# Altium PCB STguitar.PcbDoc (part 1 of 3)
Units mm, origin at the board's own origin, x right, y up, seen from the top; angles counter-clockwise.
Board outline 150 x 90 mm, 4 copper layers (Top Layer, Signal 1, Signal 2, Bottom Layer), stack 0.746 mm thick; 215 components, 199 nets, 877 pads, 342 vias.
Unrouted connection lines stored in the file: 196.
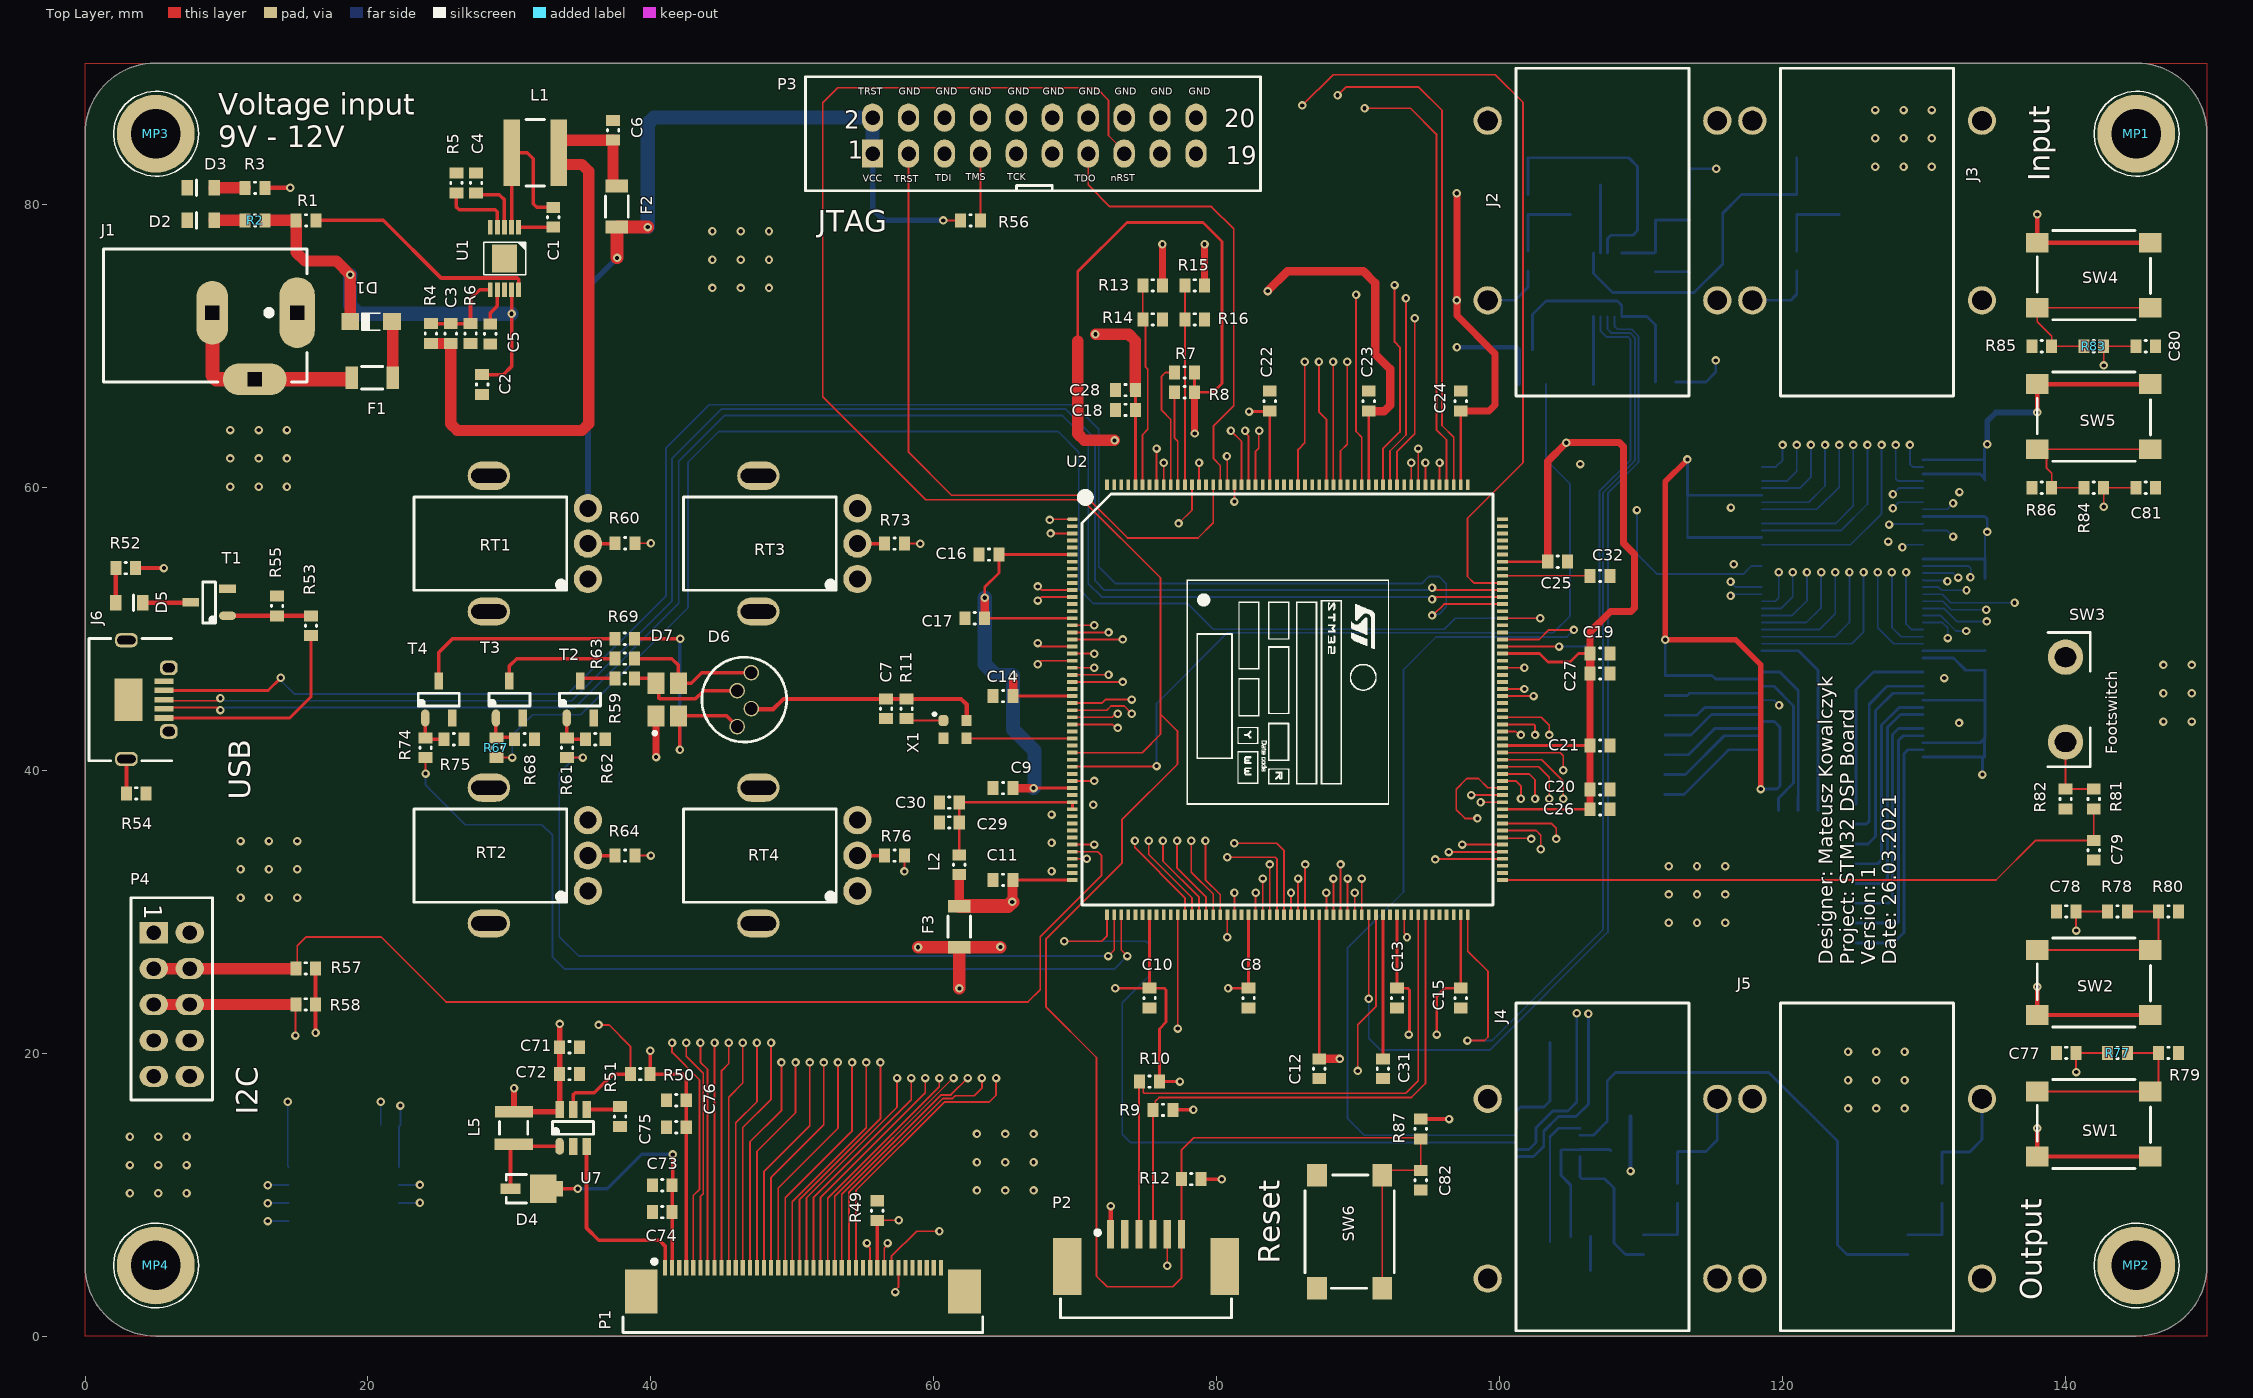
[diagram p0: Top Layer view]
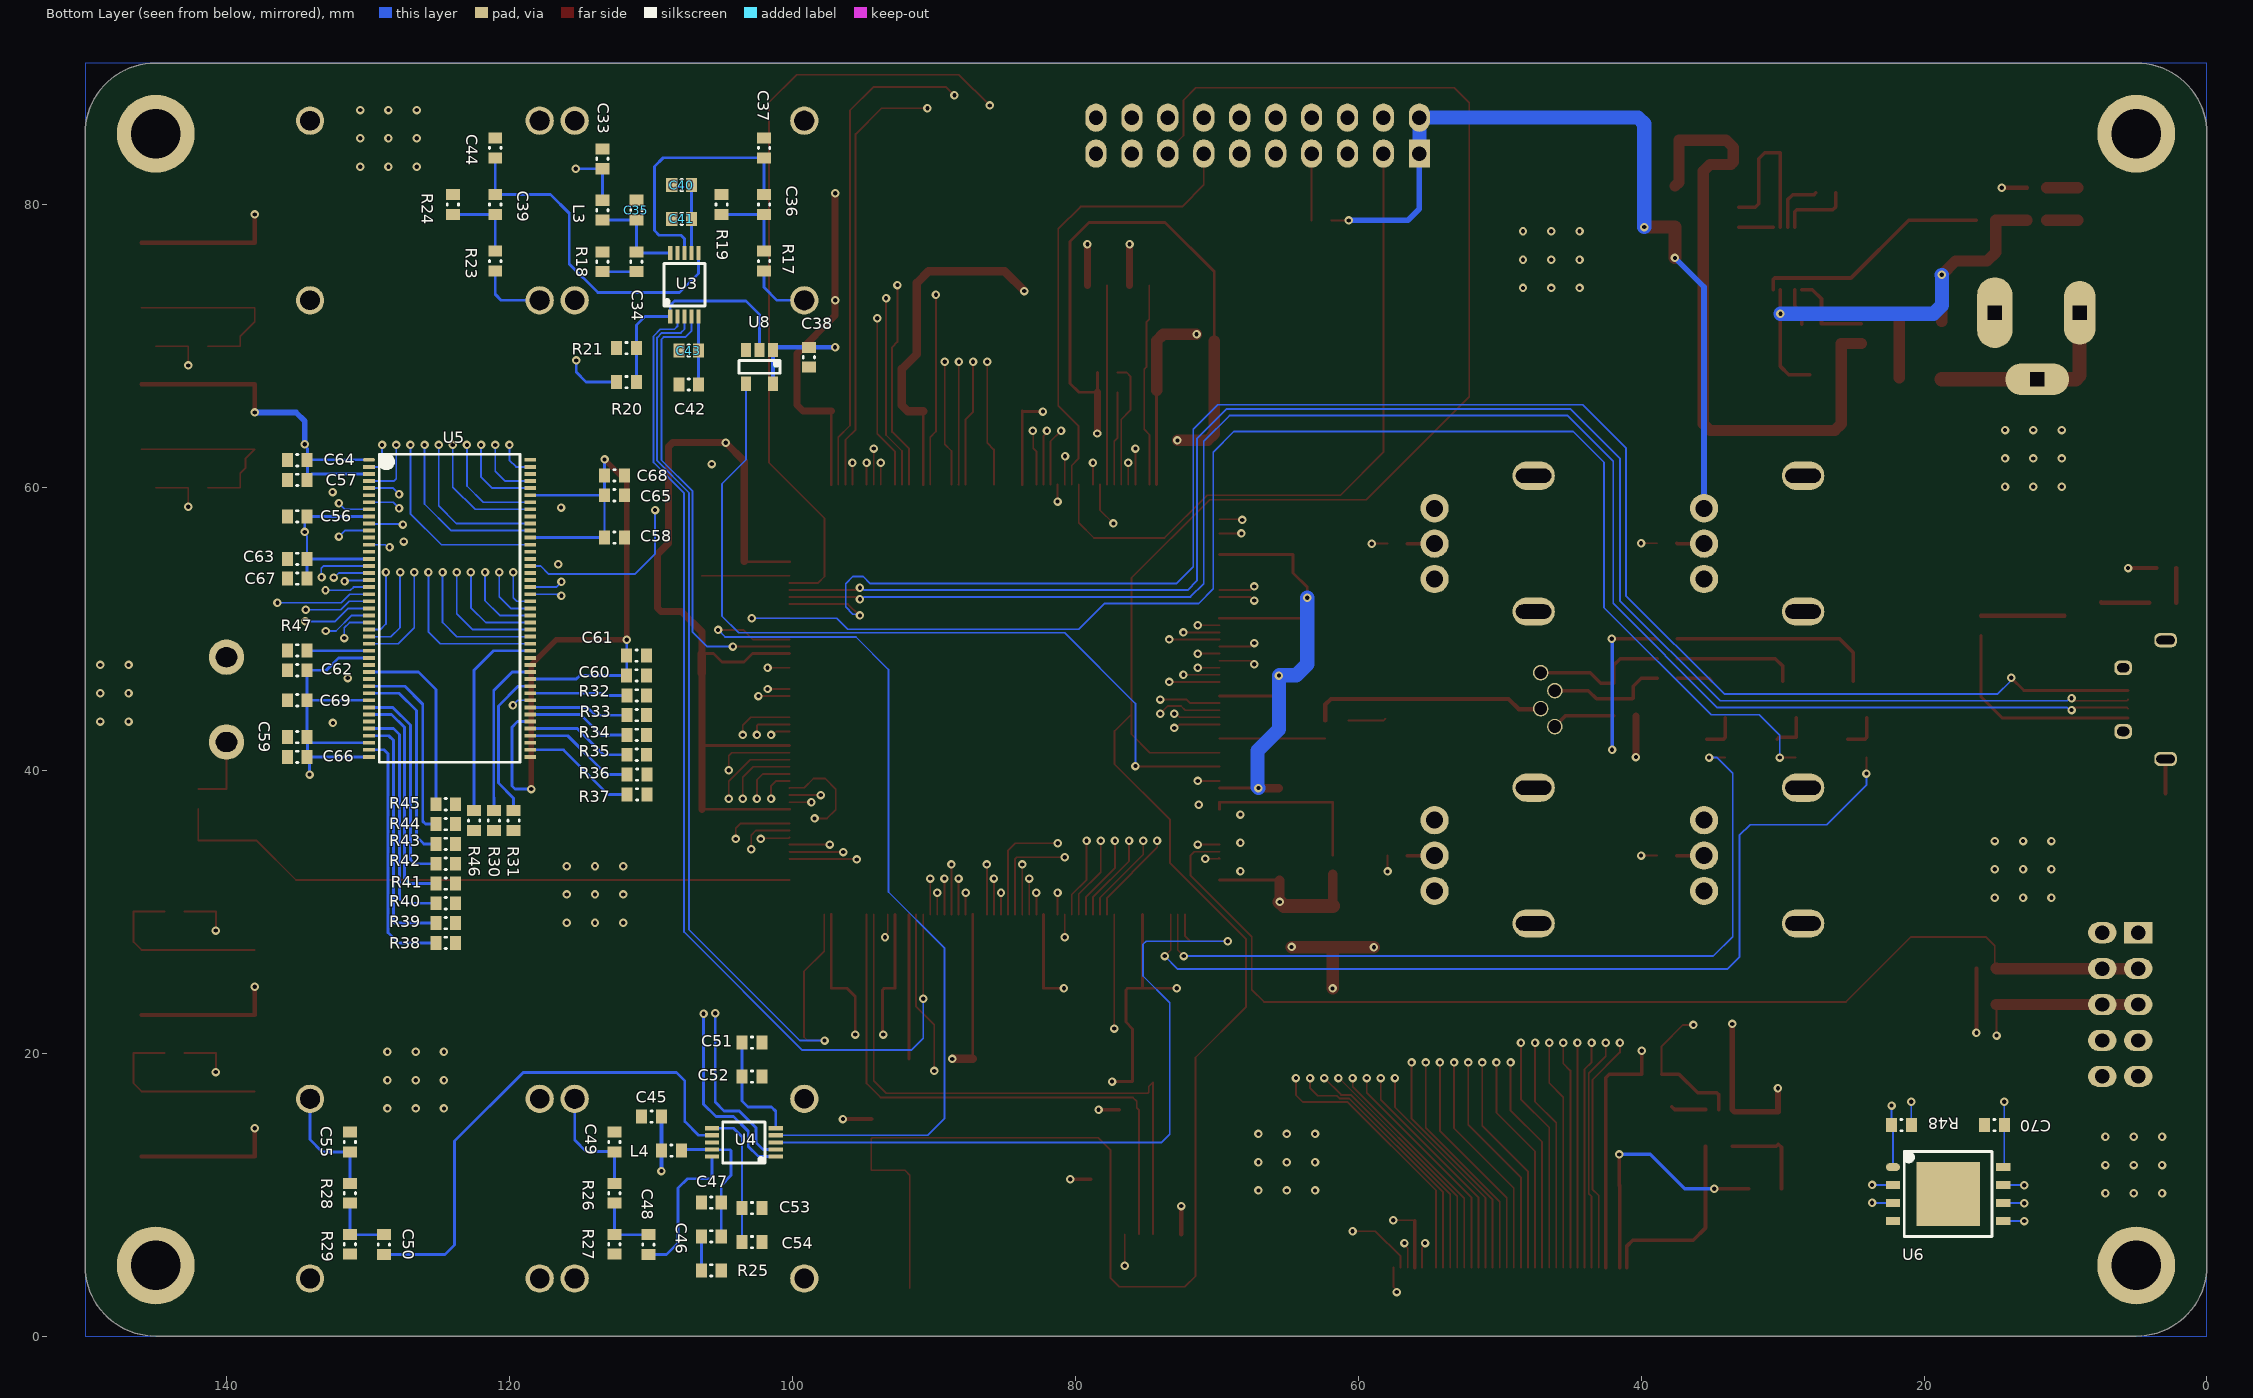
[diagram p1: Bottom Layer view, seen from below]
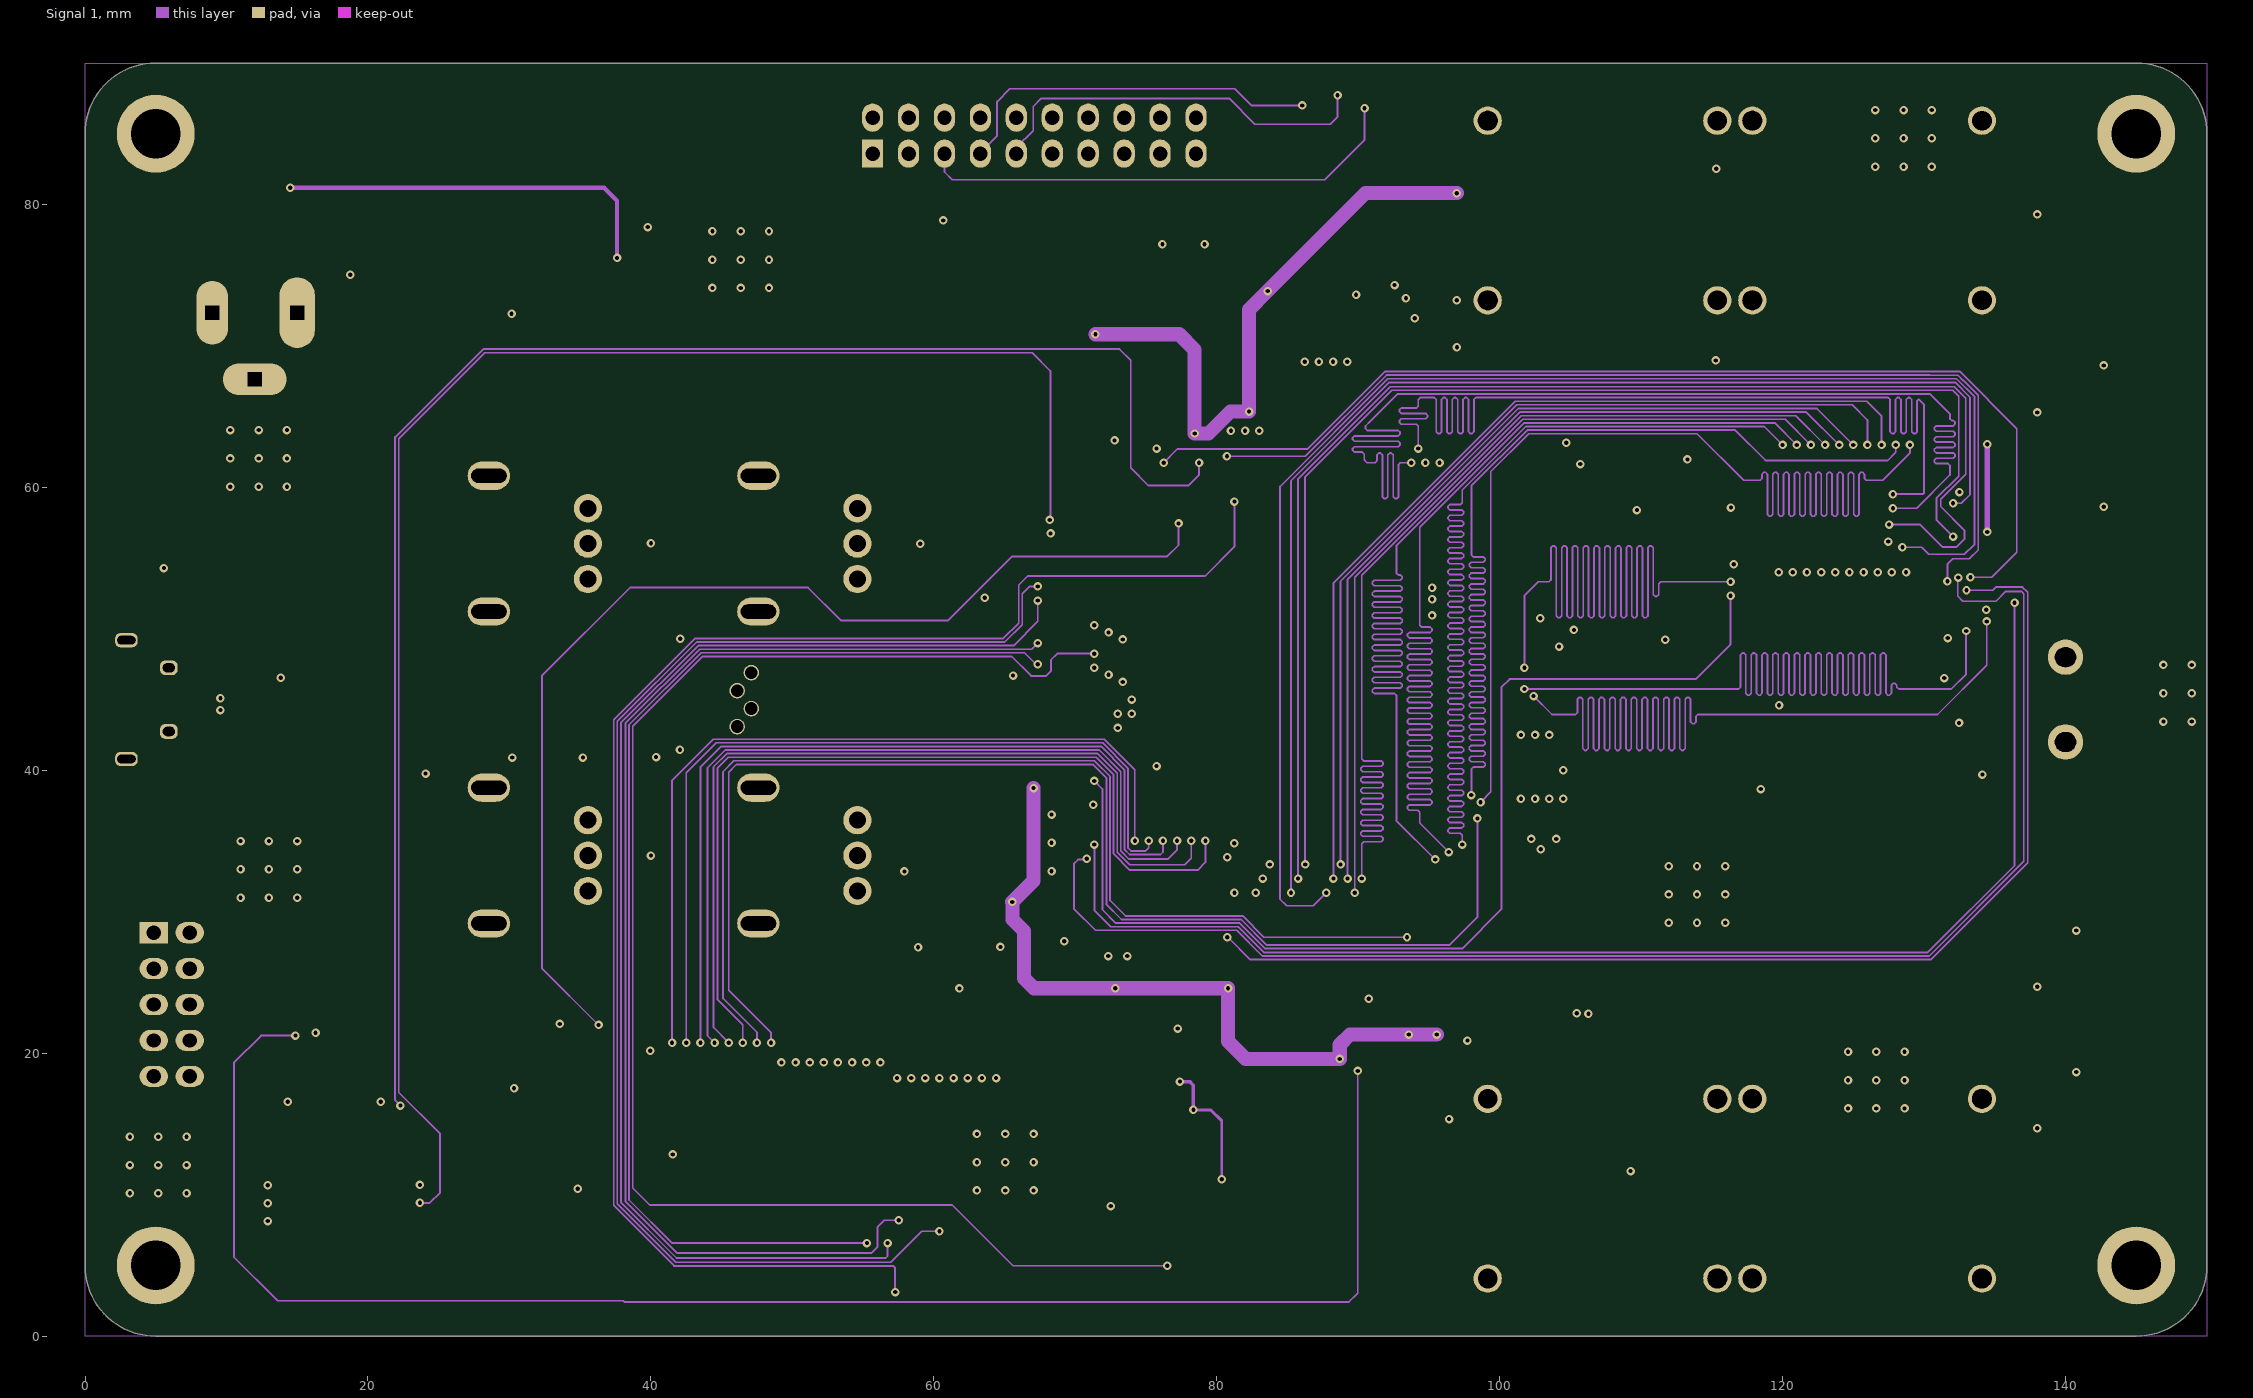
[diagram p2: Signal 1]
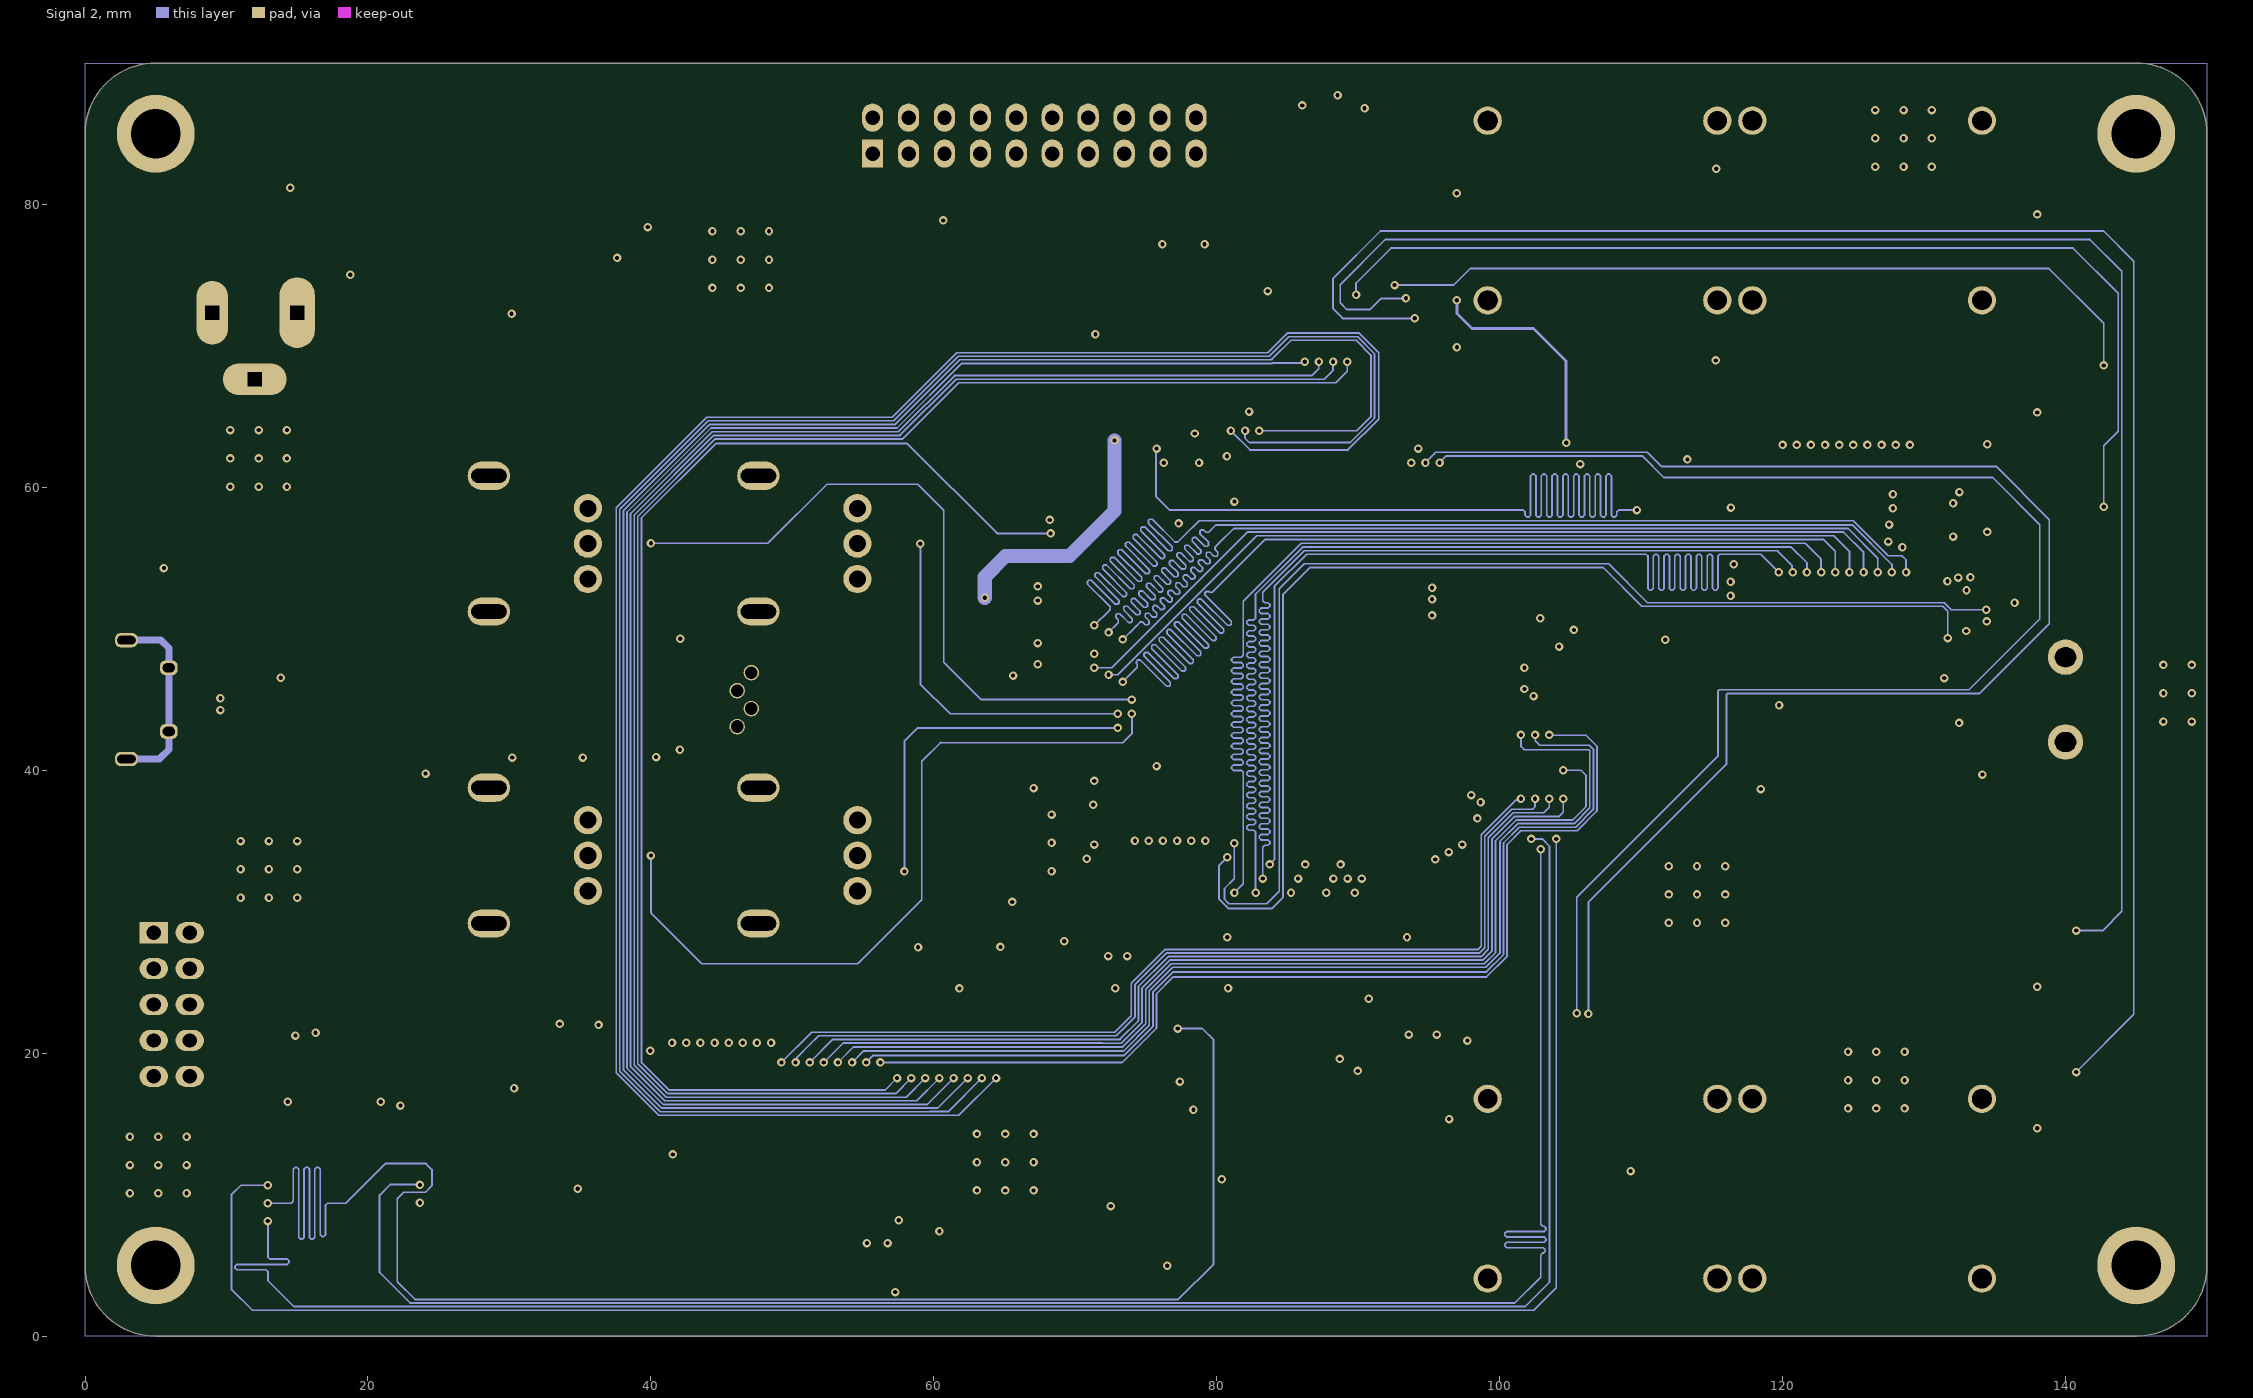
[diagram p3: Signal 2]